# Altium PCB ac_rc_unit_VER1.PcbDoc (part 1 of 2) (continued)
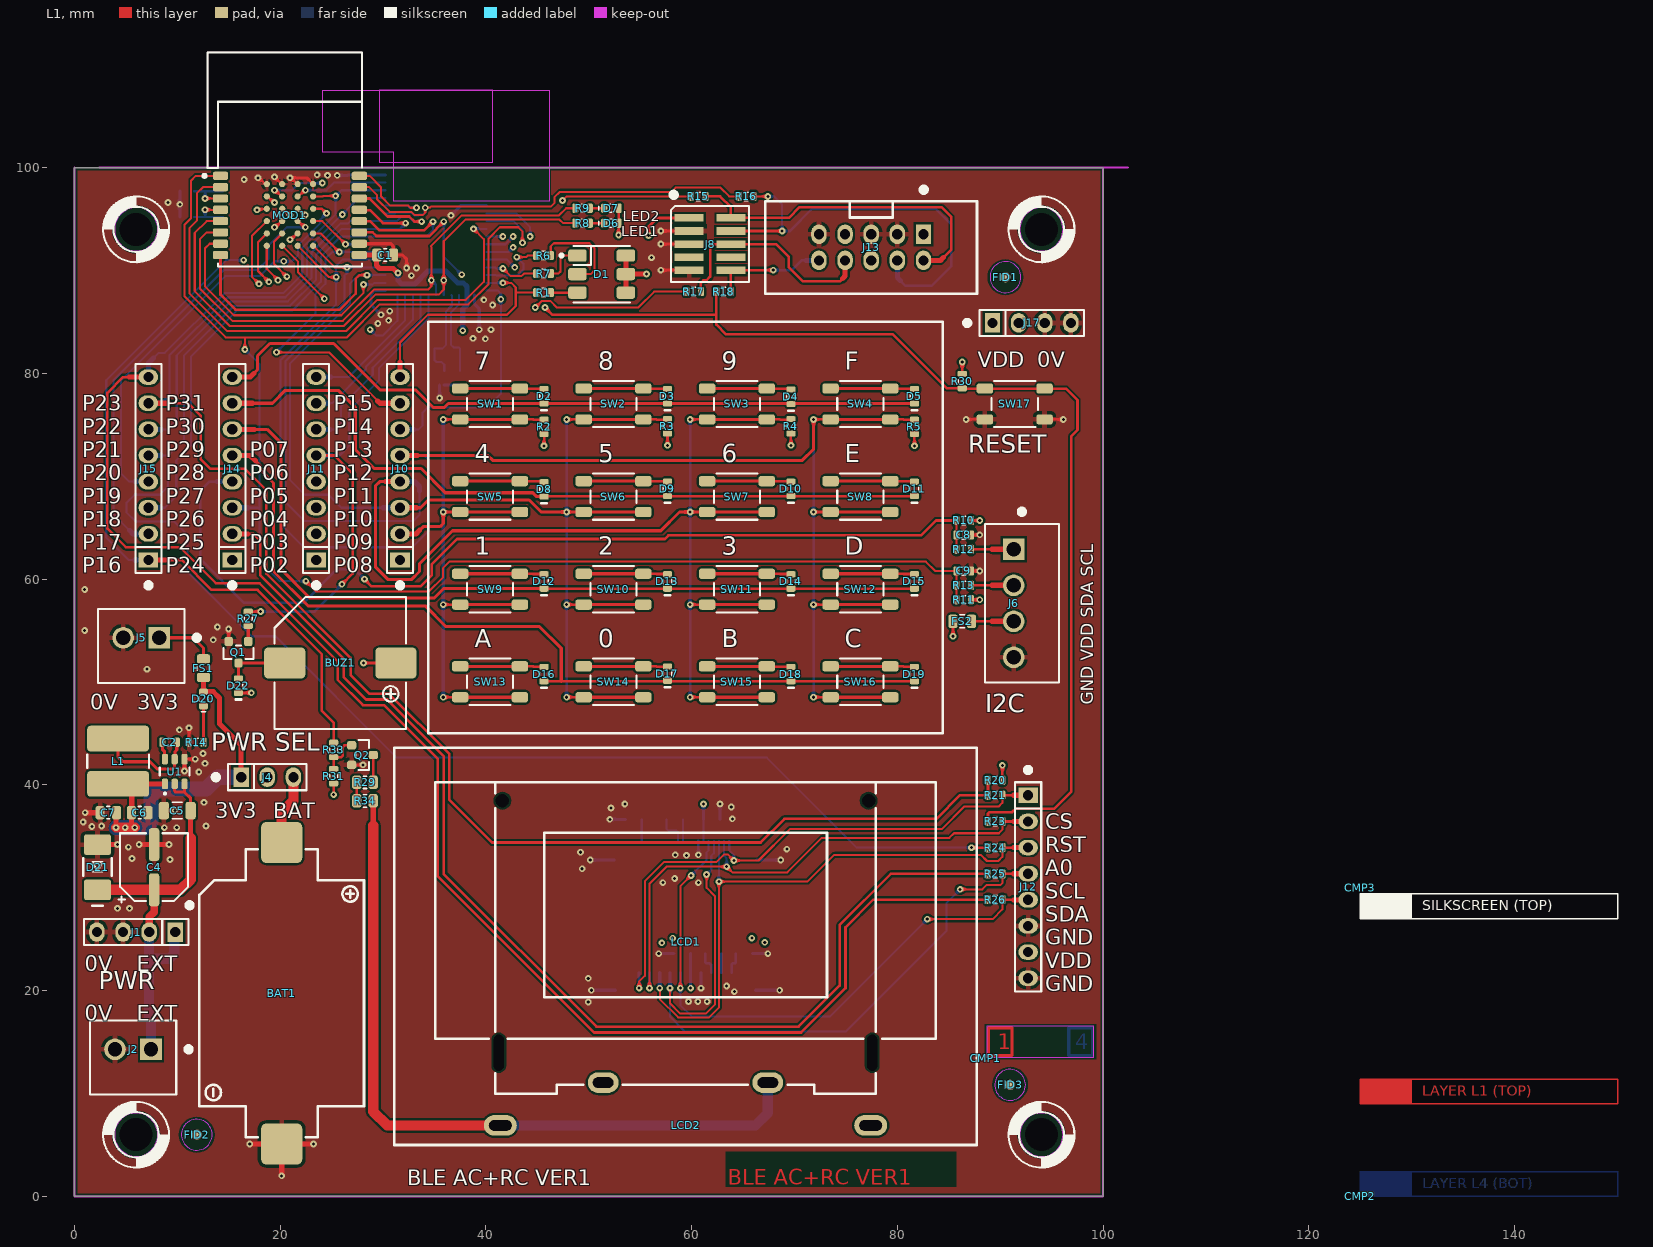
[diagram p0: L1 view]
## Components (designator, comment, footprint, x,y, rotation, side; value= is the part's Value field where it differs from the comment)
BAT1 "1060TR" BAT_KEY_1060 20.15,19.75 r90 top locked
BUZ1 "2400Hz" BUZ_LDT_SMB07 25.85,51.85 r270 top locked
C1 "10uF/10V" CAP_0805R 30.2,91.5 r180 top
C2 "100nF/16V" CAP_0603R 9.25,44.15 r180 top
C3 "10uF/10V" CAP_0805R 38.55,85.45 r180 bottom
C4 "100uF/35V" CAP_SMD_SIZE_D8 7.75,32 r180 top locked
C5 "10uF/50V" CAP_1206R 10,37.5 r0 top
C6 "22uF/10V" CAP_0805R 6.35,37.3 r0 top
C7 "22uF/10V" CAP_0805R 3.3,37.3 r180 top
C8 "47pF/50V" CAP_0603R 86.45,64.3 r180 top
C9 "47pF/50V" CAP_0603R 86.45,60.8 r180 top
C10 "1uF/16V" CAP_0805R 58.35,36.65 r0 bottom
C11 "1uF/16V" CAP_0805R 54.35,36.65 r180 bottom
C12 "12pF/50V" CAP_0603R 10.95,97.7 r0 bottom
C13 "12pF/50V" CAP_0603R 10.95,95.2 r0 bottom
C14 "10uF/10V" CAP_0805R 61.95,36.65 r180 bottom
C15 "1uF/16V" CAP_0805R 62.1,23.6 r0 bottom
C16 "1uF/16V" CAP_0805R 65.1,23.6 r0 bottom
C17 "10uF/10V" CAP_0805R 59.1,23.6 r0 bottom
C18 "12pF/50V" CAP_0603R 37.5,79.55 r90 bottom
C19 "12pF/50V" CAP_0603R 35.95,79.55 r90 bottom
CMP1 "Stackup 4L" PCB_STACKUP-4L 88.6,13.45 r0 top
CMP2 "PCB 4L LEGEND" PCB_LAYER_LEGEND_4L 125,0 r0 top
CMP3 "PCB MECH LEGEND" PCB_LAYER_LEGEND_MECH01-08_SET 125,30 r0 top
D1 "SLV6A-FKB" LED_CRE_PLCC6_550_550 51.25,89.65 r0 top locked
D2 "CDBU0320" DIO_0603R 45.65,77.774 r90 top
D3 "CDBU0320" DIO_0603R 57.65,77.774 r90 top
D4 "CDBU0320" DIO_0603R 69.65,77.724 r90 top
D5 "CDBU0320" DIO_0603R 81.65,77.774 r90 top
D6 "Green" LED_0603R 52.2,94.6 r0 top
D7 "Green" LED_0603R 52.2,96.05 r0 top
D8 "CDBU0320" DIO_0603R 45.65,68.724 r90 top
D9 "CDBU0320" DIO_0603R 57.65,68.774 r90 top
D10 "CDBU0320" DIO_0603R 69.65,68.774 r90 top
D11 "CDBU0320" DIO_0603R 81.65,68.774 r90 top
D12 "CDBU0320" DIO_0603R 45.65,59.774 r90 top
D13 "CDBU0320" DIO_0603R 57.65,59.774 r90 top
D14 "CDBU0320" DIO_0603R 69.65,59.774 r90 top
D15 "CDBU0320" DIO_0603R 81.65,59.774 r90 top
D16 "CDBU0320" DIO_0603R 45.65,50.774 r90 top
D17 "CDBU0320" DIO_0603R 57.65,50.824 r90 top
D18 "CDBU0320" DIO_0603R 69.65,50.774 r90 top
D19 "CDBU0320" DIO_0603R 81.65,50.774 r90 top
D20 "Green" LED_0603R 12.55,48.35 r90 top
D21 "SMAJ24A" DIO_SMA_R 2.25,32 r90 top
D22 "CDBU0320" DIO_0603R 15.95,49.65 r90 top
FID1 "Fiducial" PCB_FID_RND_100x300 90.5,89.35 r90 top
FID2 "Fiducial" PCB_FID_RND_100x300 11.9,6 r90 top
FID3 "Fiducial" PCB_FID_RND_100x300 90.95,10.85 r90 top
FS1 "1A/6V" FUS_ECE_SR0XX 12.55,51.35 r90 top
FS2 "200mA/9V" FUS_ECE_SR0XX 86.3,55.9 r0 top
J1 "1x4pin" CON_HDR_P254_1X04 6,25.7 r180 top locked
J2 "1x2pin" CON_WRT_691321100002 5.7,13.5 r180 top locked
J4 "1x3pin" CON_HDR_P254_1X03 18.75,40.75 r0 top
J5 "1x2pin" CON_WRT_691321100002 6.5,53.5 r180 top locked
J6 "1x4pin" CON_WRT_691321100004 92.1,57.65 r270 top locked
J8 "10 pin" CON_SMT_FTSH-105-01-L-DV-K 61.782,92.57 r270 top locked
J9 "20pin FFC/FPC" CON_WRT_68712014522 59.4,32.705 r180 bottom locked
J10 "1x8pin" CON_HDR_P254_1X08 31.65,70.75 r90 top
J11 "1x8pin" CON_HDR_P254_1X08 23.5,70.75 r90 top
J12 "1x8pin" CON_HDR_P254_1X08 92.7,30.1 r270 top locked
J13 "10 pin" CON_WRT_61201021621 77.45,92.25 r180 top locked
J14 "1x8pin" CON_HDR_P254_1X08 15.35,70.75 r90 top
J15 "1x8pin" CON_HDR_P254_1X08 7.2,70.75 r90 top
J16 "10pin FFC/FPC" CON_WRT_686110183422_REV 59.4,19.865 r180 bottom
J17 "1x4pin" CON_HDR_P254_1X04 93.05,84.9 r0 top locked
L1 "3u9H" IND_BRS_SRN6028 4.25,42.3 r270 top
LCD1 "DEM 128064P" LCD_DEL_DEM128064P_FGH-PW_A2 59.4,25.115 r0 top locked
LCD2 "ENH-DG128064" LCD_SEE_ENH-DG128064-148-YFPTGF_A2 59.4,24.3 r0 top locked
MOD1 "BT832(F)/BT832A(F)/BT840(F)" MOD_FNS_BT832_BT840_A/AF 20.95,100.8 r0 top locked
MOD2 "BL651/BL652" MOD_LRD_BL651_BL652 35.15,94.5 r180 bottom locked
Q1 "BC817-25" PKG_SOT23-3_TO236 15.95,52.9 r180 top
Q2 "BC817-25" PKG_SOT23-3_TO236 28,42.9 r270 top
R1 "4k7" RES_0603R 45.6,87.85 r0 top
R2 "4k7" RES_0603R 45.65,74.8 r270 top
R3 "4k7" RES_0603R 57.65,74.85 r270 top
R4 "4k7" RES_0603R 69.65,74.85 r270 top
R5 "4k7" RES_0603R 81.65,74.8 r270 top
R6 "4k7" RES_0603R 45.6,91.45 r0 top
R7 "4k7" RES_0603R 45.6,89.7 r0 top
R8 "2k2" RES_0603R 49.4,94.6 r180 top
R9 "2k2" RES_0603R 49.4,96.05 r180 top
R10 "4k7" RES_0603R 86.45,65.7 r0 top
R11 "4k7" RES_0603R 86.45,58 r0 top
R12 "47R" RES_0603R 86.45,62.9 r180 top
R13 "47R" RES_0603R 86.45,59.4 r180 top
R14 "2k2" RES_0603R 11.85,44.15 r180 top
R15 "47R" RES_0603R 60.65,97.2 r0 top
R16 "47R" RES_0603R 65.3,97.2 r0 top
R17 "47R" RES_0603R 60.2,87.95 r0 top
R18 "47R" RES_0603R 63.1,87.95 r0 top
R20 "47k" RES_0603R 89.5,40.45 r0 top
R21 "47R" RES_0603R 89.5,39 r0 top
R23 "47R" RES_0603R 89.5,36.45 r0 top
R24 "47R" RES_0603R 89.5,33.9 r0 top
R25 "47R" RES_0603R 89.5,31.35 r0 top
R26 "47R" RES_0603R 89.5,28.85 r0 top
R27 "4k7" RES_0603R 16.9,56.15 r90 top
R29 "TBD" RES_0805R 28.25,40.25 r0 top
R30 "47k" RES_0603R 86.3,79.25 r90 top
R31 "47k" RES_0603R 25.2,40.85 r270 top
R33 "4k7" RES_0603R 25.2,43.4 r90 top
R34 "TBD" RES_0805R 28.25,38.45 r0 top
SW1 "PTS647" SWI_CKS_PTS647Sx38 40.4,77.024 r180 top locked
SW2 "PTS647" SWI_CKS_PTS647Sx38 52.4,77.024 r180 top locked
SW3 "PTS647" SWI_CKS_PTS647Sx38 64.4,77.024 r180 top locked
SW4 "PTS647" SWI_CKS_PTS647Sx38 76.4,77.024 r180 top locked
SW5 "PTS647" SWI_CKS_PTS647Sx38 40.4,68.024 r180 top locked
SW6 "PTS647" SWI_CKS_PTS647Sx38 52.4,68.024 r180 top locked
SW7 "PTS647" SWI_CKS_PTS647Sx38 64.4,68.024 r180 top locked
SW8 "PTS647" SWI_CKS_PTS647Sx38 76.4,68.024 r180 top locked
SW9 "PTS647" SWI_CKS_PTS647Sx38 40.4,59.024 r180 top locked
SW10 "PTS647" SWI_CKS_PTS647Sx38 52.4,59.024 r180 top locked
SW11 "PTS647" SWI_CKS_PTS647Sx38 64.4,59.024 r180 top locked
SW12 "PTS647" SWI_CKS_PTS647Sx38 76.4,59.024 r180 top locked
SW13 "PTS647" SWI_CKS_PTS647Sx38 40.4,50.024 r180 top locked
SW14 "PTS647" SWI_CKS_PTS647Sx38 52.4,50.024 r180 top locked
SW15 "PTS647" SWI_CKS_PTS647Sx38 64.4,50.024 r180 top locked
SW16 "PTS647" SWI_CKS_PTS647Sx38 76.4,50.024 r180 top locked
SW17 "PTS647" SWI_CKS_PTS647Sx38 91.4,77.024 r180 top locked
U1 "AP63203" ICC_TSOT26 9.75,41.3 r0 top locked
X1 "32.768 kHz" OSC_EPS_FC-135 14.45,96.45 r270 bottom
X2 "32.768 kHz" OSC_EPS_FC-135 36.25,82.4 r180 bottom

## Footprints (in the part's own frame and the unit in brackets; to place one, negate y for a bottom-side part, rotate by r counter-clockwise, add the part's x,y. Pads: shape width x height; smd on the part's side, far side on the other; paste and mask are expansions set on the pad)
BAT_KEY_1060 [mm]
  rrect25% 4x4 smd: 1(-14.65,0) 2(14.65,0)
  silkscreen extent -14,-8 14,8, body extent -16.1,-10 16.1,10, height 5.7
BUZ_LDT_SMB07 [mm]
  rrect25% 3x4 smd: 1(0,-5.4) 2(0,5.4)
  silkscreen extent -6.4,-6.4 6.4,6.4, body extent -7.05,-6.9 6.4,8.2, height 45.2
CAP_0603R [mm]
  rrect50% 0.6x0.9 smd: 1(-0.7,0) 2(0.7,0)
  silkscreen extent -0.2,-0.4 0.2,0.4, body extent -0.8,-0.41 0.8,0.41, height 0.57
CAP_0805R [mm]
  rrect50% 0.9x1.3 smd: 1(-0.8,0) 2(0.8,0)
  silkscreen extent -0.15,-0.6 0.15,0.6, body extent -1,-0.62 1,0.63, height 0.6
CAP_1206R [mm]
  rrect50% 1x1.7 smd: 1(-1.3,0) 2(1.3,0)
  silkscreen extent -0.5,-0.8 0.5,0.8, body extent -1.6,-0.8 1.6,0.8, height 0.79
CAP_SMD_SIZE_D8 [mm]
  rrect50% 1x3.2 smd: 1(0,-2.2) 2(0,2.2)
  silkscreen extent -3.3,-3.3 3.45,3.45, body extent -3.3,-3.5 3.3,3.5, height 7.71
CON_HDR_P254_1X03 [mm]
  rect 1.5x1.9 hole 1: 1(-2.54,0)
  oval 1.5x1.9 hole 1: 2(0,0) 3(2.54,0)
  silkscreen extent -5.25,-1.27 3.81,1.28, body extent -3.81,-1.27 3.81,1.27, height 8.57
CON_HDR_P254_1X04 [mm]
  rect 1.5x1.9 hole 1: 1(-3.81,0)
  oval 1.5x1.9 hole 1: 2(-1.27,0) 3(1.27,0) 4(3.81,0)
  silkscreen extent -5.45,-2.85 5.08,1.28, body extent -5.08,-1.27 5.08,1.27, height 8.57
CON_HDR_P254_1X08 [mm]
  rect 1.5x1.9 hole 1: 1(-8.89,0)
  oval 1.5x1.9 hole 1: 2(-6.35,0) 3(-3.81,0) 4(-1.27,0) 5(1.27,0) 6(3.81,0) 7(6.35,0) 8(8.89,0)
  silkscreen extent -11.6,-1.27 10.16,1.28, body extent -10.16,-1.27 10.16,1.27, height 8.57
CON_SMT_FTSH-105-01-L-DV-K [mil] "Connector, Pin Header, dual, SMD, 10 pin, pitch 1.27mm"
  rect 29x110 smd mask+2: 1(-100,-80) 2(-100,80) 3(-50,-80) 4(-50,80) 5(0,-80) 6(0,80) 7(50,-80) 8(50,80) 9(100,-80) 10(100,80)
  silkscreen extent -198,-150 145,150, body extent -125,-115 125,115, height 241
CON_WRT_61201021621 [mm]
  rect 1.5x1.9 hole 1: 1(-5.08,-1.27)
  oval 1.5x1.9 hole 1: 2(-5.08,1.27) 3(-2.54,-1.27) 4(-2.54,1.27) 5(0,-1.27) 6(0,1.27) 7(2.54,-1.27) 8(2.54,1.27) 9(5.08,-1.27) 10(5.08,1.27)
  silkscreen extent -10.28,-5.85 10.28,4.5, body extent -10.18,-4.42 10.18,4.75, height 9.13
CON_WRT_68712014522 [mm]
  rect 2.7x3 smd: 0(-6.9,0) 0(6.9,0)
  rrect50% 0.3x1.2 smd: 1(-4.75,1.86) 2(-4.25,1.86) 3(-3.75,1.86) 4(-3.25,1.86) 5(-2.75,1.86) 6(-2.25,1.86) 7(-1.75,1.86) 8(-1.25,1.86) 9(-0.75,1.86) 10(-0.25,1.86) 11(0.25,1.86) 12(0.75,1.86) 13(1.25,1.86) 14(1.75,1.86) 15(2.25,1.86) 16(2.75,1.86) 17(3.25,1.86) 18(3.75,1.86) 19(4.25,1.86) 20(4.75,1.86)
  silkscreen extent -8.25,-2.82 8.25,3.23, body extent -8.2,-2.84 8.2,2.26, height 2.1
CON_WRT_686110183422_REV [mm]
  rect 2.5x1.3 smd: 0(-6.8,0.175) 0(6.8,0.175)
  rrect50% 0.4x1.2 smd: 1(4.5,1.885) 2(3.5,1.885) 3(2.5,1.885) 4(1.5,1.885) 5(0.5,1.885) 6(-0.5,1.885) 7(-1.5,1.885) 8(-2.5,1.885) 9(-3.5,1.885) 10(-4.5,1.885)
  silkscreen extent -8.1,-2.12 8.1,3.22, body extent -8.1,-2.12 8.1,2.14, height 1.29
CON_WRT_691321100002 [mm]
  rect 2.1x2.1 hole 1.4: 1(-1.75,-0.8)
  round 2.1 hole 1.4: 2(1.75,-0.8)
  silkscreen extent -5.65,-3.6 4.2,3.6, body extent -4.2,-3.6 4.2,3.6, height 9.3
CON_WRT_691321100004 [mm]
  rect 2.1x2.1 hole 1.4: 1(-5.25,-0.8)
  round 2.1 hole 1.4: 2(-1.75,-0.8) 3(1.75,-0.8) 4(5.25,-0.8)
  silkscreen extent -9.15,-3.6 7.7,3.6, body extent -7.7,-3.6 7.7,3.6, height 9.3
DIO_0603R [mm]
  rrect50% 0.6x0.9 smd: 1(-0.7,0) 2(0.7,0)
  silkscreen extent -1.35,-0.4 0.2,0.4, body extent -0.85,-0.4 0.85,0.4, height 0.56
DIO_SMA_R [mm]
  rrect20% 2x2.6 smd: 1(-2.2,0)
  rrect20% 2x2.6 smd paste+0: 2(2.2,0)
  silkscreen extent -3.75,-1.4 0.85,1.4, body extent -2.74,-1.4 2.74,1.4, height 2.39
FUS_ECE_SR0XX [mm]
  rrect50% 0.9x1.3 smd: 1(-0.9,0) 2(0.9,0)
  silkscreen extent -0.23,-0.63 0.23,0.63, body extent -1.05,-0.67 1.05,0.68, height 1
ICC_TSOT26 [mm]
  rrect50% 0.6x1 smd: 1(-0.95,-1.2) 2(0,-1.2) 3(0.95,-1.2) 4(0.95,1.2) 5(0,1.2) 6(-0.95,1.2)
  silkscreen extent -1.45,-2.25 1.45,0.4, body extent -1.45,-1.4 1.85,1.4, height 5.8
IND_BRS_SRN6028 [mm]
  rrect25% 2.5x6 smd: 1(-2.2,0) 2(2.2,0)
  silkscreen extent -0.65,-3 0.65,3, body extent -3,-3 3,3, height 2.9
LCD_DEL_DEM128064P_FGH-PW_A2 [mm]
  oval 3x2 hole 1 slot 2 at 0 deg: A(-8,-14.05) K(8,-14.05)
  round 0 hole 1 slot 3.5 at 90 deg unplated mask+0.1: MH(-18.15,-11.15) MH(18.15,-11.15)
  round 0 hole 1.3 unplated mask+0.1: MH(-17.8,13.35) MH(17.8,13.35)
  silkscreen extent -18.5,-15.15 18.5,15.15, body extent -18.5,-15.15 18.5,15.15, height 4.7
LCD_SEE_ENH-DG128064-148-YFPTGF_A2 [mm]
  oval 3.2x2 hole 1 slot 2.2 at 0 deg: A(18,-17.4) K(-18,-17.4)
  silkscreen extent -28.3,-19.3 28.3,19.3, body extent -28.3,-19.3 28.3,19.3, height 5.1
LED_0603R [mm]
  rrect50% 0.6x0.9 smd: 1(-0.7,0) 2(0.7,0)
  silkscreen extent -1.25,-0.4 0.2,0.4, body extent -0.8,-0.4 0.8,0.4, height 0.4
LED_CRE_PLCC6_550_550 [mm]
  rrect40% 1.8x1.2 smd: 1(-2.35,1.8) 2(-2.35,0) 3(-2.35,-1.8) 4(2.35,-1.8) 5(2.35,0) 6(2.35,1.8)
  silkscreen extent -4.05,-2.75 2.75,2.75, body extent -2.8,-2.8 2.8,2.8, height 2.6
MOD_FNS_BT832_BT840_A/AF [mm]
  rrect50% 1.5x0.8 smd: 1(-6.75,-1.6) 2(-6.75,-2.7) 3(-6.75,-3.8) 4(-6.75,-4.9) 5(-6.75,-6) 6(-6.75,-7.1) 7(-6.75,-8.2) 8(-6.75,-9.3) 9(6.75,-9.3) 10(6.75,-8.2) 11(6.75,-7.1) 12(6.75,-6) 13(6.75,-4.9) 14(6.75,-3.8) 15(6.75,-2.7) 16(6.75,-1.6)
  round 0.6 smd: A0(-2.25,-2.4) A1(-2.25,-3.6) A2(-2.25,-4.8) A3(-2.25,-6) A4(-2.25,-7.2) A5(-2.25,-8.4) B0(-0.75,-2.4) B1(-0.75,-3.6) B2(-0.75,-4.8) B3(-0.75,-6) B4(-0.75,-7.2) B5(-0.75,-8.4) C0(0.75,-2.4) C1(0.75,-3.6) C2(0.75,-4.8) C3(0.75,-6) C4(0.75,-7.2) C5(0.75,-8.4) D0(2.25,-2.4) D1(2.25,-3.6) D2(2.25,-4.8) D3(2.25,-6) D4(2.25,-7.2) D5(2.25,-8.4)
  Keep-Out Layer region: -8,-0.8 7,-0.8 7,10.4 -8,10.4
  silkscreen extent -8.45,-10.4 7,10.4, body extent -8,-10.4 7,10.4, height 2.05
MOD_LRD_BL651_BL652 [mm]
  rrect50% 1.2x0.5 smd: 1(4.9,4.8) 2(4.9,4.05) 3(4.9,3.3) 4(4.9,2.55) 5(4.9,1.8) 6(4.9,1.05) 7(4.9,0.3) 8(4.9,-0.45) 9(4.9,-1.2) 10(4.9,-1.95) 11(4.9,-2.7) 12(4.9,-3.45) 13(4.9,-4.2) 14(4.9,-4.95) 15(4.9,-5.7) 16(4.9,-6.45) 28(-4.9,-6.45) 29(-4.9,-5.7) 30(-4.9,-4.95) 31(-4.9,-4.2) 32(-4.9,-3.45) 33(-4.9,-2.7) 34(-4.9,-1.95) 35(-4.9,-1.2) 36(-4.9,-0.45) 37(-4.9,0.3) 38(-4.9,1.05) 39(-4.9,1.8)
  rrect50% 0.5x1.2 smd: 17(3.75,-6.9) 18(3,-6.9) 19(2.25,-6.9) 20(1.5,-6.9) 21(0.75,-6.9) 22(0,-6.9) 23(-0.75,-6.9) 24(-1.5,-6.9) 25(-2.25,-6.9) 26(-3,-6.9) 27(-3.75,-6.9)
  Keep-Out Layer region: -5.5,13 5.5,13 5.5,6 -5.5,6
  Keep-Out Layer region: -11,13 -11,2.25 4.1,2.25 4.1,7 11,7 11,13
  silkscreen extent -5,2.4 6.25,7, body extent -5,-7 5,7, height 2.1
OSC_EPS_FC-135 [mm]
  rrect20% 1x1.8 smd: 1(-1.25,0)
  rrect50% 1x1.8 smd: 2(1.25,0)
  silkscreen extent -0.45,-0.75 0.45,0.75, body extent -1.6,-0.75 1.6,0.75, height 0.8
PCB_FID_RND_100x300 [mm]
  round 1 smd paste-10 mask+1: 0(0,0)
  L1 pour cut-out: -1.6,0 -1.478,-0.612 -1.131,-1.131 -0.612,-1.478 0,-1.6 0,-1.6 0.612,-1.478 1.131,-1.131 1.478,-0.612 1.6,0 1.6,0 1.478,0.612 1.131,1.131 0.612,1.478 0,1.6 0,1.6 -0.612,1.478 -1.131,1.131 -1.478,0.612 -1.6,0
  L1 keep-out circle w0.05: c0,0 r1.5
PCB_LAYER_LEGEND_4L [mm]
  L1 region: 0,9 5,9 5,11.4 0,11.4
  L1 lines w0.15: 0,9 25,9 25,11.4 0,11.4 0,9
  L2 region: 0,6 5,6 5,8.4 0,8.4
  L2 lines w0.15: 0,6 0,8.4 25,8.4 25,6 0,6
  L3 region: 0,3 5,3 5,5.4 0,5.4
  L3 lines w0.15: 0,3 0,5.4 25,5.4 25,3 0,3
  L4 region: 0,0 5,0 5,2.4 0,2.4
  L4 lines w0.15: 0,0 0,2.4 25,2.4 25,0 0,0
  silkscreen extent 0,27 25,29.4
PCB_LAYER_LEGEND_MECH01-08_SET [mm]
PCB_STACKUP-4L [mm]
  L1 pour cut-out: -0.1,3.3 10.7,3.3 10.7,-0.1 -0.1,-0.1
  L1 lines w0.3: 0.25,0.25 2.55,0.25 2.55,2.95 0.25,2.95 0.25,0.25
  L2 pour cut-out: -0.1,3.3 10.7,3.3 10.7,-0.1 -0.1,-0.1
  L2 lines w0.3: 2.85,0.25 2.85,2.95 5.15,2.95 5.15,0.25 2.85,0.25
  L3 pour cut-out: -0.1,3.3 10.7,3.3 10.7,-0.1 -0.1,-0.1
  L3 lines w0.3: 5.45,0.25 5.45,2.95 7.75,2.95 7.75,0.25 5.45,0.25
  L4 pour cut-out: 10.7,3.3 -0.1,3.3 -0.1,-0.1 10.7,-0.1
  L4 lines w0.3: 8.05,0.25 8.05,2.95 10.35,2.95 10.35,0.25 8.05,0.25
  Keep-Out Layer region: 0.1,0.1 10.5,0.1 10.5,3.1 0.1,3.1
PKG_SOT23-3_TO236 [mm]
  rrect50% 0.8x0.9 smd: 1(-0.95,-1.05) 2(0.95,-1.05) 3(0,1.05)
  silkscreen extent -1.45,-0.65 1.45,0.65, body extent -1.44,-1.22 1.44,1.22, height 1
RES_0603R [mm]
  rrect50% 0.6x0.9 smd: 1(-0.7,0) 2(0.7,0)
  silkscreen extent -0.2,-0.4 0.2,0.4, body extent -0.8,-0.4 0.8,0.4, height 0.3
RES_0805R [mm]
  rrect50% 0.9x1.3 smd: 1(-0.8,0) 2(0.8,0)
  silkscreen extent -0.15,-0.6 0.15,0.6, body extent -1,-0.6 1,0.6, height 0.4
SWI_CKS_PTS647Sx38 [mm]
  rrect50% 1.6x1 smd: 1(-2.9,1.5) 2(2.9,1.5) 3(-2.9,-1.5) 4(2.9,-1.5)
  silkscreen extent -2.25,-2.25 2.25,2.25, body extent -3.25,-2.25 3.25,2.25, height 3.8

## Part data
BAT1: library part BAT_KEY_1060, "BAT", Manufacturer="Keystone Electronics Corp.", Operating Temperature="-xx°C to +xx°C", Package=SMD, Component Type="Battery holder", Mounting Type=SMD, MPN=1060TR, Replacement=?, Specification="Battery holder, CR2025/CR2032, SMD package", System=?
BUZ1: library part BUZ_LDT_LD-BZEL-B07-1212, "Buzzer", Manufacturer=Loudity, MPN=LD-BZEL-B07-1212, Operating Temperature="-30°C to +80°C", Package=SMD, Component Type=Buzzer, Mounting Type=SMD, Replacement=NO, Specification="Buzzer, internal generator, 2400Hz, 30mA, 85dB, SMD package", System=?
C1 C3 C14 C17: library part CAP, "CAP", Manufacturer="Murata Electronics", MPN=GRM21BR71A106KA73K, Operating Temperature="-55°C to +125°C", Package="SMD 0805 (2012)", Component Type=Capacitor, Mounting Type=SMD, Replacement=YES, Specification="Capacitor, MLCC, 10uF, 10V, X7R, 10%, SMD 0805 (2012)"
C2: library part CAP, "CAP", Manufacturer=Yageo, MPN=CC0603KRX7R7BB104, Operating Temperature="-55°C to +125°C", Package="SMD 0603 (1608)", Component Type=Capacitor, Mounting Type=SMD, Replacement=YES, Specification="Capacitor, 100nF, 16V, X7R, 10%, SMD 0603", System=?
C4: library part ELCAP_SMD, "ELCAP SMD", Manufacturer=Panasonic, MPN=EEEFK1V101XP, Operating Temperature="-55°C to +105°C", Package="SMD size D8 (6.6x6.6mm)", Component Type="Electrolytic capacitor", Mounting Type=SMD, Replacement=YES, Specification="Electrolytic capacitor, 100uF, 35V, ±20%, 2000h @ 105°C, low impedance, SMD size D8 package"
C5: library part CAP, "CAP", Manufacturer="Taiyo Yuden", MPN=UMK316BBJ106KL-T, Operating Temperature="-55°C to +85°C", Package="SMD 1206 (3216)", Component Type=Capacitor, Mounting Type=SMD, Replacement=YES, Specification="Capacitor, MLCC, 10uF, 50V, X5R, 10%, SMD 1206 (3216)"
C6 C7: library part CAP, "CAP", Manufacturer="Taiyo Yuden", MPN=LMK212BBJ226MG-T, Operating Temperature="-55°C to +85°C", Package="SMD 0805 (2012)", Component Type=Capacitor, Mounting Type=SMD, Replacement=YES, Specification="Capacitor, MLCC, 22uF, 10V, X5R, 20%, SMD 0805 (2012)", System=?
C8 C9: library part CAP, "CAP", Manufacturer=Yageo, MPN=CC0603JRNPO9BN470, Operating Temperature="-55°C to +125°C", Package="SMD 0603 (1608)", Component Type=Capacitor, Mounting Type=SMD, Replacement=YES, Specification="Capacitor, MLCC, 47pF, 50V, C0G, 5%, SMD 0603 (1608)"
C10 C11 C15 C16: library part CAP, "CAP", Manufacturer="Taiyo Yuden", MPN=EMK212B7105MG-T, Operating Temperature="-55°C to +125°C", Package="SMD 0805 (2012)", Component Type=Capacitor, Mounting Type=SMD, Replacement=YES, Specification="Capacitor, MLCC, 1uF, 16V, X7R, 20%, SMD 0805 (2012)", System=?
C12 C13 C18 C19: library part CAP, "CAP", Manufacturer=AVX, MPN=06035A120JAT2A, Operating Temperature="-55°C to +125°C", Package="SMD 0603 (1608)", Component Type=Capacitor, Mounting Type=SMD, Replacement=YES, Specification="Capacitor, MLCC, 12pF, 50V, C0G, 5%, SMD 0603 (1608)"
CMP1 CMP2 CMP3: library part NonComponent, "NonComponent", Manufacturer=-, Component Type=Graphical, FT Item=-, Mounting Type="Non component", MPN=-, Operating Temperature=-, Package=-, Replacement=N/A
  CMP1: Specification="Stackup legend indicator, 8layer PCB"
  CMP2: Specification="4-Layer PCB legend information table"
  CMP3: Specification="Legend information table for PCB Mechanical layers"
D1: library part LED_CRE_SLV6A-FKB-CKNPRGJBB7a363, "LED", Manufacturer=CREE, MPN=SLV6A-FKB-CKNPRGJBB7a363, Operating Temperature="-40°C to +100°C", Package="SMD PLCC6", Component Type="LED Diode", Mounting Type=SMD, Replacement=YES, Specification="LED RGB diode, Red 560-1120 mcd, Green 1120-2240 mcd, Blue 280-560 mcd, PLCC6 package", System=?
D2 D3 D4 D5 D8 D9 D10 D11 D12 D13 D14 D15 D16 D17 D18 D19 D22: library part DIO_CMC_CDBU0320-HF, "Diode", Manufacturer="Comchip Technology", MPN=CDBU0320-HF, Operating Temperature="-40°C to +125°C", Package="SMD 0603 (1608)", Component Type="Schottky Diode", Mounting Type=SMD, Replacement=YES, Specification="Schottky Barrier Diode, 20V, 1.5A, SMD 0603 (1608) package", System=?
D6 D7 D20: library part LED_WRT_150060VS55040, "LED", Manufacturer="Wurth Elektronik", MPN=150060VS55040, Operating Temperature="-40°C to +85°C", Package="SMD 0603 (1608)", Component Type="LED Diode", Mounting Type=SMD, Replacement=YES, Specification="LED diode, green, 575nm, 60mcd, 140deg, 0603 package", System=?
D21: library part DIO_DDS_SMAJ24A-13-F, "Diode", Manufacturer="Diodes Incorporated", MPN=SMAJ24A-13-F, Operating Temperature="-55°C to +150°C", Package="DO-214AC (SMA)", Component Type="TVS Diode", Mounting Type=SMD, Replacement=YES, Specification="TVS Diode, unidirectional, 24V, 400W, DO-214AC (SMA) package", System=?
FID1 FID2 FID3: Manufacturer=-, Component Type=Fiducial, FT Item=-, Mounting Type="Non component", MPN=-, Operating Temperature=-, Package=-, Replacement=N/A, Specification="Fiducial, round, 1.5x3.0mm"
FS1: library part FUS_ECE_SR0XX, "Fuse", Manufacturer="Bel Fuse", MPN=0ZCK0100FF2E, Operating Temperature="-40°C to +85°C", Package="SMD 0805 (2012)", Component Type="Polymer fuse", Mounting Type=SMD, Replacement=YES, Specification="Polymer fuse, 1A, 6V, SMD 0805 (2012) package", System=?
FS2: library part FUS_ECE_SR0XX, "Fuse", Manufacturer=ECE, MPN=SR020-09, Operating Temperature="-40°C to +85°C", Package="SMD 0805 (2012)", Component Type="Polymer fuse", Mounting Type=SMD, Replacement=YES, Specification="Polymer fuse, 200mA, 9V, SMD 0805 (2012) package", System=?
J1 J17: library part CON_HDR_WRT_61300411121, "CON", Manufacturer="Wurth Elektronik GmbH", MPN=61300411121, Operating Temperature="-40°C to +125°C", Package=THT, Component Type=Connector, Mounting Type=THT, Replacement=YES, Specification="Connector, pin header, 1x4 pin, single row, 2.54 pitch, straight pin, THT package", System=?
J2 J5: library part CON_HDR_WRT_691321100002, "Connector", Manufacturer="Wurth Elektronik GmbH", MPN=691321100002, Operating Temperature="-40°C to +105°C", Package=THT, Component Type=Connector, Mounting Type=THT, Replacement=YES, Specification="Connector, terminal block, 1x2 pin, 3.50 pitch, vertical, THT package", System=?
J4: library part CON_HDR_WRT_61300311121, "Connector", Manufacturer="Wurth Elektronik GmbH", MPN=61300311121, Operating Temperature="-40°C to +125°C", Package=THT, Component Type=Connector, Mounting Type=THT, Replacement=YES, Specification="Connector, pin header, 1x3 pin, single row, 2.54 pitch, straight pin, THT package", System=?
J6: library part CON_HDR_WRT_61300411121, "CON", Manufacturer="Wurth Elektronik GmbH", MPN=691321100004, Operating Temperature="-40°C to +105°C", Package=THT, Component Type=Connector, Mounting Type=THT, Replacement=YES, Specification="Connector, terminal block, 1x4 pin, 3.50 pitch, vertical, THT package", System=?
J8: library part Conn_2x5pin, "Connector, 2x5 pin", Manufacturer=Samtec, MPN=FTSH-105-01-L-DV-K, Operating Temperature="-55°C to +125°C", Package="SMD, 1.27mm pitch", Component Type=Connector, Mounting Type=SMD, Replacement=YES, Specification="Precision pin header, 1.27mm pitch, 10 pin, straight, male, double row, gold plated, SMD package", System=?
J9: library part CON_WRT_68712014522, "Connector", Manufacturer="Wurth Elektronik GmbH", MPN=68712014522, Operating Temperature="-25°C to +85°C", Package="SMD FFC/FPC", Component Type=Connector, Mounting Type=SMD, Replacement=YES, Specification="WR-FPC SMT ZIF Horizontal, bottom contact, 0.50 mm pitch, 20pin, SMD package", System=?
J10 J11 J12 J14 J15: library part CON_HDR_1X08, "Connector, 8pin", Manufacturer="Wurth Elektronik GmbH", MPN=61300811121, Operating Temperature="-40°C to +125°C", Package=THT, Component Type=Connector, Mounting Type=THT, Replacement=YES, Specification="Connector, pin header, 1x8 pin, single row, 2.54 pitch, straight pin, THT package", System=?
J13: library part CON_HDR_2X05, "Connector, 2x5pin", Manufacturer="Wurth Elektronik GmbH", MPN=61201021621, Operating Temperature="-55°C to +125°C", Package="THT, 2.54mm pitch", Component Type=Connector, Mounting Type=THT, Replacement=YES, Specification="Precision pin header, 2.54mm pitch, 10 pin, straight, male, double row, gold plated, THT package", System=?
J16: library part CON_WRT_686110183422, "Connector", Manufacturer="Wurth Elektronik GmbH", MPN=686110183422, Operating Temperature="-25°C to +85°C", Package="SMD FFC/FPC", Component Type=Connector, Mounting Type=SMD, Replacement=YES, Specification="WR-FPC SMT ZIF Horizontal, top contacts, 1.00 mm pitch, 10 pin, SMD package", System=?
L1: library part IND, "IND", Manufacturer=Bourns, MPN=SRN6028-3R9M, Operating Temperature="-40°C to +125°C", Package="SMD 6.0x6.0x2.8mm", Component Type=Inductor, Mounting Type=SMD, Replacement=YES, Specification="Semi-shielded power inductor, 3.9uH, Isat 2.7A, DCR 38mOhm, SRN6028 series, SMD 6.0x6.0x2.8mm package"
LCD1: library part LCD_DEL_DEM128064P_FGH-PW, "LCD display", Manufacturer="Display Elektronik", MPN="DEM 128064P FGH-PW", Operating Temperature="-20°C to +70°C", Package="THT, 37x30.3mm", Component Type="LCD display", Mounting Type=THT, Replacement=NO, Specification="Graphic LCD display, 128x64 pix., FSTN positive, white backlight, 37x30.3x7.1mm, ST7567 controller, THT package", System=?
LCD2: library part LCD_SEE_ENH-DG128064-148-YFPTGF, "LCD display", Manufacturer="Shenzhen Enrich Electronics", MPN=ENH-DG128064-148-YFPTGF, Operating Temperature="-20°C to +70°C", Package="THT, 56.6x38.6mm", Component Type="LCD display", Mounting Type=THT, Replacement=NO, Specification="Graphic LCD display, 128x64 pix., FSTN negative, white backlight, 56.60x38.60x5.10mm, ST7567 controller, THT package", System=?
MOD1: library part MOD_FNS_BT832_BT840_A/AF, "PCB Module", Manufacturer="Fanstel Corp.", Operating Temperature="-40°C to +85°C", Component Type="PCB Module", Mounting Type=SMD, MPN=BT832(F)/BT832A(F)/BT840(F), Package="PCB Module", Replacement=YES, Specification="Bluetooth 5.0 + NFC module, Nordic nRF52810/nRF52832 QFN48, 192/512kB Flash + 24/64kB RAM, 14x16x1.9mm SMD package", System=?
MOD2: library part MOD_LRD_BL651_BL652, "PCB Module", Manufacturer="Laird Connectivity", Operating Temperature="-40°C to +85°C", Component Type="PCB Module", Mounting Type=SMD, MPN=BL651/BL652, Package="PCB Module", Replacement=YES, Specification="Bluetooth 5.0 + NFC module, Nordic nRF52810/nRF52832 QFN48, 192/512kB Flash + 24/64kB RAM, 14x10x2.1mm SMD package", System=?
Q1 Q2: library part NPN_Transistor, "NPN Transistor", Manufacturer="Nexperia (NXP)", MPN=BC817-25,215, Operating Temperature="-65°C to +150°C", Package=SOT23-3, Component Type=Transistor, Mounting Type=SMD, Replacement=YES, Specification="Bipolar transistor, NPN, 45V, 500mA"
R1 R2 R3 R4 R5 R6 R7 R10 R11 R27 R33: library part RES, "RES", Manufacturer=Yageo, MPN=RC0603FR-074K7L, Operating Temperature="-55°C to +155°C", Package="SMD 0603 (1608)", Component Type=Resistor, Mounting Type=SMD, Replacement=YES, Specification="Resistor, 4.7k, 1%, SMD 0603", System=?
R8 R9 R14: library part RES, "RES", Manufacturer=Yageo, MPN=RC0603FR-072K2L, Operating Temperature="-55°C to +155°C", Package="SMD 0603 (1608)", Component Type=Resistor, Mounting Type=SMD, Replacement=YES, Specification="Resistor, 2.2k, 1%, SMD 0603"
R12 R13 R15 R16 R17 R18 R21 R23 R24 R25 R26: library part RES, "RES", Manufacturer=Yageo, MPN=RC0603FR-0747RL, Operating Temperature="-55°C to +155°C", Package="SMD 0603 (1608)", Component Type=Resistor, Mounting Type=SMD, Replacement=YES, Specification="Resistor, 47R, 1%, SMD 0603 (1608)"
R20 R30 R31: library part RES, "RES", Manufacturer=Yageo, MPN=RC0603FR-0747KL, Operating Temperature="-55°C to +155°C", Package="SMD 0603 (1608)", Component Type=Resistor, Mounting Type=SMD, Replacement=YES, Specification="Resistor, 47k, 1%, SMD 0603", System=?
R29 R34: library part RES, "RES", Manufacturer=Yageo, Operating Temperature="-55°C to +155°C", Package="SMD 0805 (2012)", Component Type=Resistor, Mounting Type=SMD, MPN=TBD, Replacement=YES, Specification="Resistor, TBD, 1%, SMD 0805 (2012)"
SW1 SW2 SW3 SW4 SW5 SW6 SW7 SW8 SW9 SW10 SW11 SW12 SW13 SW14 SW15 SW16 SW17: library part SWI_CKS_PTS647SM38SMTR2LFS, "Switch", Manufacturer="C&K Switches", MPN=PTS647SM38SMTR2LFS, Operating Temperature="-20°C to +70°C", Package=SMD, Component Type=Switch, Mounting Type=SMD, Replacement=YES, Specification="Tactile switch, 50mA, 12VDC, 1.8N force, 3.8mm height, 3.0mm pitch, 4.5mm x 4.5mm size, SMD package", System=?
U1: library part ICC_DDS_AP63203WU-7, "ICC", Manufacturer="Diodes Incorporated", MPN=AP63203WU-7, Operating Temperature="-40°C to +85°C", Package=TSOT26, Component Type=IC, Mounting Type=SMD, Replacement=?, Specification="Synchronous buck converter with enhanced EMI reduction, VOUT 3.3V, VIN 3.8V - 32V, 2A, 1.1MHz, TSOT26 package", System=?
X1 X2: library part XTAL_EPS_FC-135_32.7680KA-A, "XTAL", Manufacturer="Seiko Epson Corp.", MPN="FC-135 32.7680KA-A", Operating Temperature="-40°C to +85°C", Package="SMD 3.2x1.5x0.8mm", Component Type=Crystal, Mounting Type=SMD, Replacement=YES, Specification="Crystal, 32.768 kHz, 20ppm, 12.5pF, SMD 3.2x1.5x0.8mm package", System=?

## Free pads (board coordinates)
  round 0 hole 3.2 unplated mask+1.8: MH(6,6) MH(6,94) MH(94,6) MH(94,94)

## Via types
v1: diameter 0.65, hole 0.3, L1 to L4, 211 vias

## Nets (pads, with @x,y where several pads share a name; then routed paths per layer and width w, separated by ;. In a path a pad name is that pad's centre, name@x,y a point inside that pad or via, vN(x,y) a via of type N, cw(c..) or ccw(c..) an arc to the next point about the centre after c; other vN are vias at no path point)
BAT: BAT1.2 J4.3 | length 6.8
  L1 w1: BAT1.2@20.15,34.4 20.14,34.41 20.14,37.29 21.29,38.44 J4.3@21.29,40.75
BLE_P0.02/LED1: J11.3 MOD1.5 MOD2.23 R8.2 | length 83.9
  L1 w0.2: MOD1.5@14.2,94.8 12.85,94.8 11.7,93.65 11.7,88 15.1,84.6 26.2,84.6 29.25,87.65 35.4,87.65 35.9,88.15 v1(35.9,89.05) 35.9,92.85 38,94.95 47.15,94.95 47.5,94.6 R8.2@48.7,94.6
  L2 w0.2: 24.796,66.94 25.19,66.94 27.7,69.45 27.7,80.1 35.9,88.3 v1(35.9,89.05)
  L2 w0.5: J11.3@23.5,66.94 24.796,66.94
  L4 w0.2: MOD2.23@35.9,87.6 v1(35.9,89.05)
BLE_P0.03/LED2: J11.4 MOD1.6 MOD2.22 R9.2 | length 78.6
  L1 w0.2: MOD1.6@14.2,93.7 12.85,93.7 12.2,93.05 12.2,88.25 15.35,85.1 26.1,85.1 29.15,88.15 34.4,88.15 34.7,88.45 v1(34.7,89.05) 34.7,92.3 34.65,92.35 37.65,95.35 47.1,95.35 47.8,96.05 R9.2@48.7,96.05
  L2 w0.2: 25.409,69.709 27.15,71.45 27.15,80.2 34.7,87.75 v1(34.7,89.05)
  L2 w0.5: J11.4@23.5,69.48 25.18,69.48 25.409,69.709
  L4 w0.2: v1(34.7,89.05) 35.15,88.6 MOD2.22@35.15,87.6
BLE_P0.04/BUZ: J11.5 MOD1.A3 MOD2.21 R27.2 | length 74
  L1 w0.2: v1(17.95,88.7) 17.25,89.4 17.25,93.35 MOD1.A3@18.7,94.8
  L1 w0.25: R27.2@16.9,56.85 v1(18.1,56.85) ; J11.5@23.5,72.02 25.28,72.02 27.05,70.25 27.05,60.55 v1(26,59.5)
  L2 w0.2: v1(17.95,88.7) 17.95,81.49 20.89,78.55 20.89,73.11 21.684,72.316
  L2 w0.5: 21.684,72.316 21.98,72.02 J11.5@23.5,72.02
  L4 w0.2: 24.991,72.02 25.77,72.02 26.7,72.95 26.7,76.4 29.6,79.3 29.6,80.5 34.4,85.3 MOD2.21@34.4,87.6
  L4 w0.25: v1(18.1,56.85) 23.35,56.85 v1(26,59.5)
  L4 w0.5: J11.5@23.5,72.02 24.991,72.02
BLE_P0.05/RTS: J11.6 MOD1.A4 MOD2.20 | length 40.8
  L1 w0.2: MOD1.A4@18.7,93.6 17.85,92.75 17.85,89.95 v1(18.9,88.9)
  L2 w0.2: v1(18.9,88.9) 18.9,81.35 21.5,78.75 21.5,75.25 21.965,74.785
  L2 w0.5: 21.965,74.785 22.184,74.566 23.494,74.566 J11.6@23.5,74.56
  L4 w0.2: 24.879,74.56 25.36,74.56 25.9,75.1 25.9,76.75 29,79.85 29,80.55 33.65,85.2 MOD2.20@33.65,87.6
  L4 w0.5: J11.6@23.5,74.56 24.879,74.56
BLE_P0.06/TX: J11.7 MOD1.B4 MOD2.19 | length 36.2
  L1 w0.2: MOD1.B4@20.2,93.6 19.4,92.8 19.4,90.65 v1(20.65,89.4)
  L2 w0.2: v1(20.65,89.4) 20.65,86.75 25.3,82.1 25.3,77.35 25.05,77.1 24.574,77.1
  L2 w0.5: J11.7@23.5,77.1 24.574,77.1
  L4 w0.2: 24.713,77.1 25.05,77.1 28.35,80.4 28.35,80.65 32.9,85.2 MOD2.19@32.9,87.6
  L4 w0.5: J11.7@23.5,77.1 24.713,77.1
BLE_P0.07/CTS: J11.8 MOD1.A5 MOD2.18 | length 28.1
  L1 w0.2: MOD1.A5@18.7,92.4 18.7,90.15 v1(19.8,89.05)
  L2 w0.2: v1(19.8,89.05) 19.8,86.75 23.5,83.05 23.5,80.951
  L2 w0.5: J11.8@23.5,79.64 23.5,80.951
  L4 w0.2: 24.945,79.64 26.64,79.64 32.15,85.15 MOD2.18@32.15,87.6
  L4 w0.5: J11.8@23.5,79.64 24.945,79.64
BLE_P0.08/RX: J10.1 MOD1.B5 MOD2.17 | length 54.2
  L1 w0.2: MOD1.B5@20.2,92.4 21.75,90.85 21.75,89.8 v1(24.3,87.25)
  L2 w0.2: v1(24.3,87.25) 27.5,87.25 28.75,86 v1(28.75,84.25) 26.4,81.9 26.4,72.1 25.05,70.75 22,70.75 21.6,70.35 21.6,66.3 22.25,65.65 26.05,65.65 29.9,61.8 30.4,61.8
  L2 w0.5: 30.4,61.8 31.59,61.8 J10.1@31.65,61.86
  L4 w0.2: v1(28.75,84.25) 29.3,83.7 30,83.7 31.4,85.1 MOD2.17@31.4,87.6
BLE_P0.09/COL0: J10.2 MOD1.7 MOD2.15 R2.1 SW1.1 SW1.2 SW5.1 SW5.2 SW9.1 SW9.2 SW13.1 SW13.2 | length 116.8
  L1 w0.2: MOD1.7@14.2,92.6 13.15,92.6 12.683,92.133 12.683,88.467 15.5,85.65 25.95,85.65 28.097,87.797 v1(28.097,88.647)
  L1 w0.25: v1(35.85,48.524) SW13.2@37.5,48.524 ; v1(35.85,57.524) SW9.2@37.5,57.524 ; v1(35.85,66.524) SW5.2@37.5,66.524 ; v1(35.85,75.524) SW1.2@37.5,75.524 ; SW1.1@43.3,75.524 44.576,75.524 44.6,75.5 45.624,75.5 R2.1@45.65,75.474
  L1 w0.3: 33.55,64.75 33.9,65.1 35.55,65.1 35.85,65.4 v1(35.85,66.524) ; SW13.2@37.5,48.524 SW13.1@43.3,48.524 ; SW9.2@37.5,57.524 SW9.1@43.3,57.524 ; SW5.2@37.5,66.524 SW5.1@43.3,66.524 ; SW1.2@37.5,75.524 SW1.1@43.3,75.524
  L1 w0.5: J10.2@31.65,64.4 33.2,64.4 33.55,64.75
  L2 w0.2: v1(28.097,88.647) 30.303,88.647 30.55,88.4 33.35,88.4 33.85,88.9 33.85,89.35 34.3,89.8 36.2,89.8 36.8,89.2 36.8,88.45 33.45,85.1 33.45,77.924 v1(35.85,75.524)
  L4 w0.2: v1(28.097,88.647) 28.997,88.647 29.15,88.8 MOD2.15@30.25,88.8
  L4 w0.3: v1(35.85,48.524) v1(35.85,57.524) v1(35.85,66.524) v1(35.85,75.524)
BLE_P0.10/COL1: J10.3 MOD1.8 MOD2.14 R3.1 SW2.1 SW2.2 SW6.1 SW6.2 SW10.1 SW10.2 SW14.1 SW14.2 | length 134.2
  L1 w0.25: MOD1.8@14.2,91.5 14.2,87.65 15.65,86.2 25.8,86.2 27.35,87.75 27.35,89.2 27.7,89.55 v1(28.45,89.55) ; v1(47.85,48.524) SW14.2@49.5,48.524 ; v1(47.85,57.524) SW10.2@49.5,57.524 ; v1(47.85,66.524) SW6.2@49.5,66.524 ; v1(47.85,75.524) SW2.2@49.5,75.524 ; SW2.1@55.3,75.524 56.576,75.524 56.6,75.5 57.624,75.5 R3.1@57.65,75.474
  L1 w0.3: 33.256,66.94 33.64,66.94 34.4,67.7 44.2,67.7 45.376,66.524 v1(47.85,66.524) ; SW14.2@49.5,48.524 SW14.1@55.3,48.524 ; SW10.2@49.5,57.524 SW10.1@55.3,57.524 ; SW6.2@49.5,66.524 SW6.1@55.3,66.524 ; SW2.2@49.5,75.524 SW2.1@55.3,75.524
  L1 w0.5: J10.3@31.65,66.94 33.256,66.94
  L4 w0.2: 30.011,66.94 25.96,66.94 24.7,68.2 22.4,68.2 20.95,69.65 20.95,80.95 26.8,86.8 26.8,88.75 27.6,89.55 v1(28.45,89.55) 29.65,89.55 MOD2.14@30.25,89.55
  L4 w0.25: v1(47.85,48.524) v1(47.85,57.524) v1(47.85,66.524) v1(47.85,75.524)
  L4 w0.5: 30.011,66.94 J10.3@31.65,66.94
BLE_P0.11/COL2: J10.4 MOD1.D5 MOD2.13 R4.1 SW3.1 SW3.2 SW7.1 SW7.2 SW11.1 SW11.2 SW15.1 SW15.2 | length 156
  L1 w0.2: MOD1.D5@23.2,92.4 25.3,90.3 v1(26.5,90.3)
  L1 w0.25: v1(59.85,48.524) SW15.2@61.5,48.524 ; v1(59.85,57.524) SW11.2@61.5,57.524 ; v1(59.85,66.524) SW7.2@61.5,66.524 ; v1(59.85,75.524) SW3.2@61.5,75.524 ; SW3.1@67.3,75.524 68.576,75.524 68.6,75.5 69.624,75.5 R4.1@69.65,75.474
  L1 w0.3: 30.27,69.48 29.68,69.48 29.25,69.05 29.25,61.2 30.5,59.95 32.75,59.95 33.55,60.75 33.55,61.5 36.75,64.7 57,64.7 58.824,66.524 v1(59.85,66.524) ; SW15.2@61.5,48.524 SW15.1@67.3,48.524 ; SW11.2@61.5,57.524 SW11.1@67.3,57.524 ; SW7.2@61.5,66.524 SW7.1@67.3,66.524 ; SW3.2@61.5,75.524 SW3.1@67.3,75.524
  L1 w0.5: 30.27,69.48 J10.4@31.65,69.48
  L4 w0.2: MOD2.13@30.25,90.3 v1(26.5,90.3) 26.5,89.75 26.25,89.5 26.25,86.9 20.5,81.15 20.5,67.5 22.35,65.65 32.95,65.65 33.55,66.25 33.55,68.576
  L4 w0.25: v1(59.85,48.524) v1(59.85,57.524) v1(59.85,66.524) v1(59.85,75.524)
  L4 w0.5: J10.4@31.65,69.48 33.07,69.48 33.55,69 33.55,68.576
BLE_P0.12/COL3: J10.5 MOD1.C5 MOD2.12 R5.1 SW4.1 SW4.2 SW8.1 SW8.2 SW12.1 SW12.2 SW16.1 SW16.2 | length 166.1
  L1 w0.2: MOD1.C5@21.7,92.4 24.75,89.35 v1(25.45,89.35)
  L1 w0.25: v1(71.85,48.524) SW16.2@73.5,48.524 ; v1(71.85,57.524) SW12.2@73.5,57.524 ; v1(71.85,66.524) SW8.2@73.5,66.524 ; v1(71.85,75.524) SW4.2@73.5,75.524 ; SW4.1@79.3,75.524 80.576,75.524 80.6,75.5 81.624,75.5 R5.1@81.65,75.474
  L1 w0.3: 33.348,72.02 40.18,72.02 40.65,71.55 70.75,71.55 71.85,72.65 v1(71.85,75.524) ; SW16.2@73.5,48.524 SW16.1@79.3,48.524 ; SW12.2@73.5,57.524 SW12.1@79.3,57.524 ; SW8.2@73.5,66.524 SW8.1@79.3,66.524 ; SW4.2@73.5,75.524 SW4.1@79.3,75.524
  L1 w0.5: J10.5@31.65,72.02 33.348,72.02
  L4 w0.2: MOD2.12@30.25,91.05 26.05,91.05 25.45,90.45 v1(25.45,89.35) 25.45,86.7 20.05,81.3 20.05,65.35 22.3,63.1 32.85,63.1 34.4,64.65 34.4,71.65 34.03,72.02 33.168,72.02
  L4 w0.25: v1(71.85,48.524) v1(71.85,57.524) v1(71.85,66.524) v1(71.85,75.524)
  L4 w0.5: J10.5@31.65,72.02 33.168,72.02
BLE_P0.13: J10.6 MOD1.11 MOD2.28 | length 42.8
  L1 w0.25: MOD1.11@27.7,93.7 29,93.7 29.35,93.35 34.5,93.35 v1(35.9,94.75)
  L2 w0.2: v1(37.65,89.6) 39.058,89.6 v1(41.45,87.208)
  L4 w0.2: 33.024,74.56 33.46,74.56 33.85,74.95 33.85,76.2 34.35,76.7 40.15,76.7 41.45,78 v1(41.45,87.208) 41.45,87.75 41.15,88.05 MOD2.28@40.05,88.05 ; v1(35.9,94.75) 35.9,91.35 v1(37.65,89.6)
  L4 w0.5: J10.6@31.65,74.56 33.024,74.56